# Altium PCB roach2.PcbDoc (part 35 of 39) (continued)
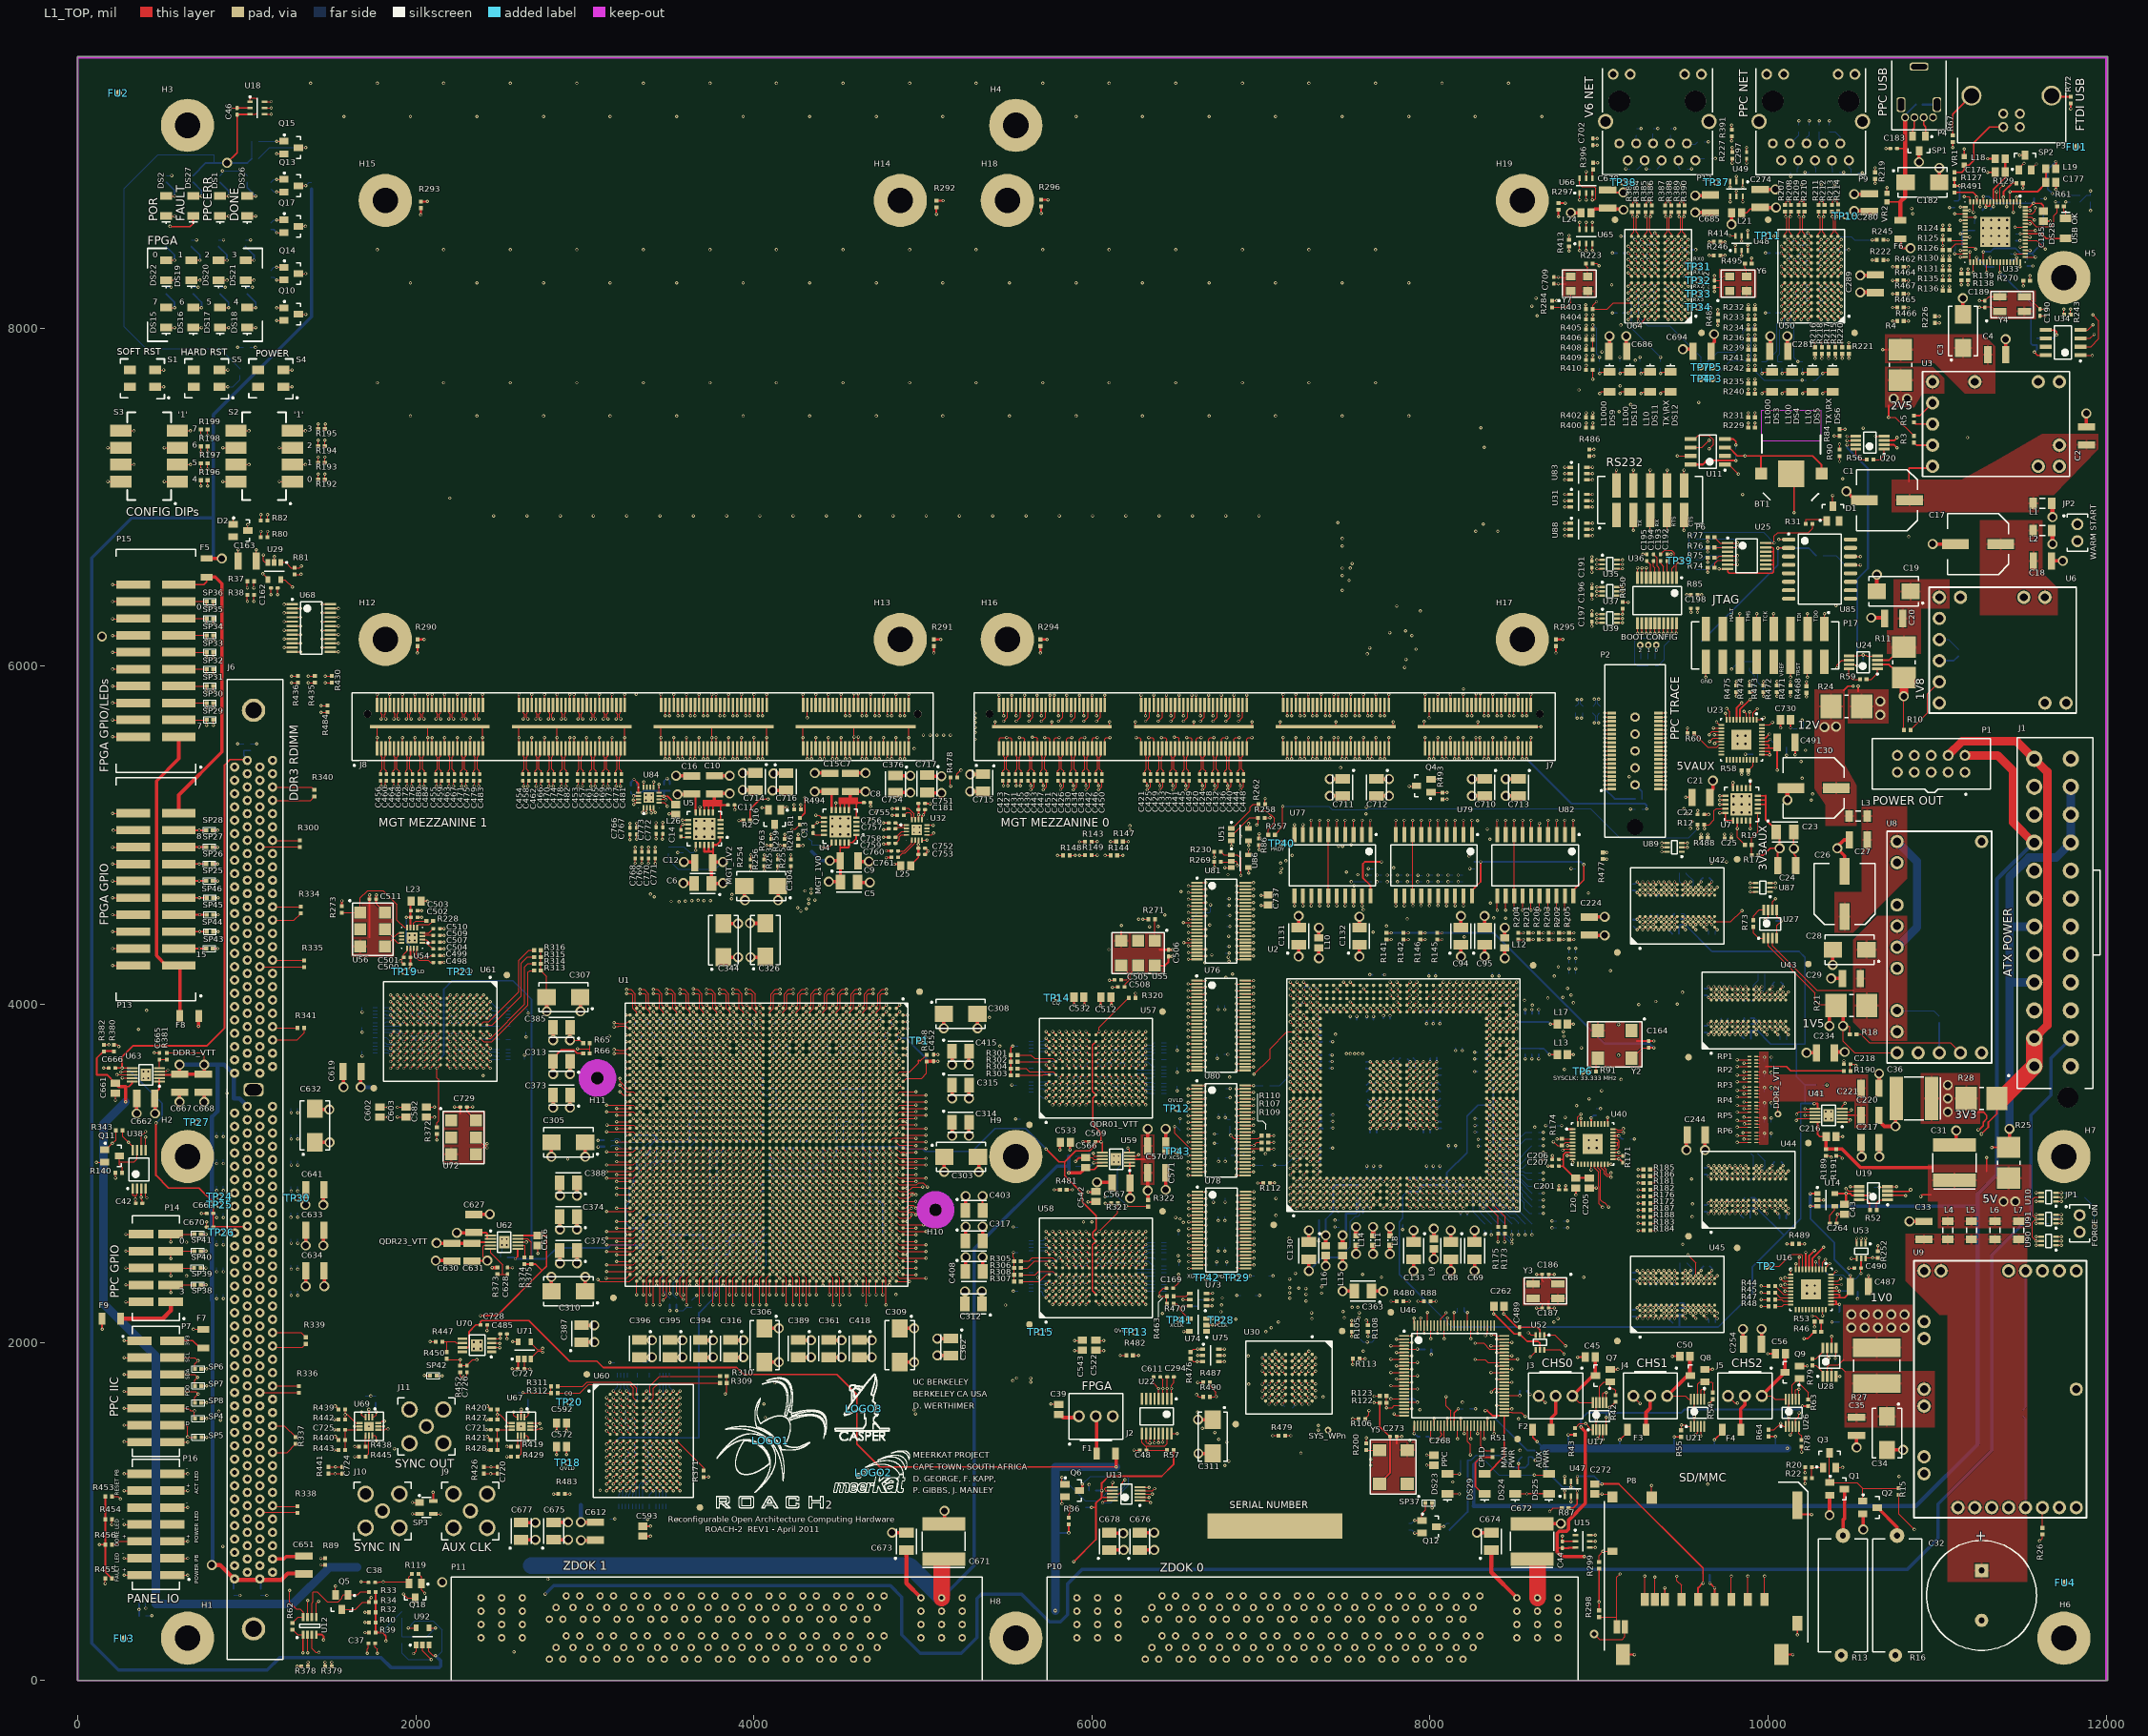
[diagram p0: L1_TOP view]
## Nets (pads, with @x,y where several pads share a name; then routed paths per layer and width w, separated by ;. In a path a pad name is that pad's centre, name@x,y a point inside that pad or via, vN(x,y) a via of type N, cw(c..) or ccw(c..) an arc to the next point about the centre after c; other vN are vias at no path point) (continued)
ZDOK0.DP_N16: P10.D14 U1.F42 | length 5257.7
  L1_TOP w5: v2(4684.14,2281.93) U1.F42@4684.14,2360.67
  L14_S w3.8: v2@4685.04,2283.46 4700.99,2267.51 4700.99,2252.96 4712.99,2240.96 4712.99,2157.96 4776.19,2094.76 4776.19,1703.76 5369.76,1110.19 5598.99,1110.19 ccw(c5598.99,1122.39) 5611.19,1122.39 5611.19,1180.7 cw(c5615.59,1180.7) 5619.99,1180.7 5619.99,1047.49 ccw(c5632.19,1047.49) 5644.39,1047.49 5644.39,1180.7 cw(c5648.79,1180.7) 5653.19,1180.7 5653.19,1047.49 ccw(c5665.39,1047.49) 5677.59,1047.49 5677.59,1180.7 cw(c5681.99,1180.7) 5686.39,1180.7 5686.39,1047.49 ccw(c5698.59,1047.49) 5710.79,1047.49 5710.79,1180.7 cw(c5715.19,1180.7) 5719.59,1180.7 5719.59,1122.39 ccw(c5731.79,1122.39) 5731.79,1110.19 5950.79,1110.19 6140.79,920.19 6425.79,920.19 6555.79,790.19 7280.79,790.19 7450.19,620.79 7450.19,476.33 7419.61,445.75 7419.61,400.35 7484.76,335.19 7503.24,335.19 7503.78,334.65 7526.61,334.65 7554.16,362.2 P10.D14@7595.12,362.2
ZDOK0.DP_N17: P10.D16 U1.C41 | length 5269.2
  L1_TOP w5: U1.C41@4802.25,2400.04 v1(4821.94,2380.35)
  L3_S w3.8: v1@4822.84,2381.89 4836.94,2395.99 4861.99,2395.99 4883.99,2373.99 4883.99,2275.99 4995.99,2163.99 4995.99,1851.96 5272.76,1575.19 5545.79,1575.19 5835.79,1285.19 5848.99,1285.19 ccw(c5848.99,1297.39) 5861.19,1297.39 5861.19,1303.99 cw(c5865.59,1303.99) 5869.99,1303.99 5869.99,1241.99 ccw(c5882.19,1241.99) 5894.39,1241.99 5894.39,1303.99 cw(c5898.79,1303.99) 5903.19,1303.99 5903.19,1241.99 ccw(c5915.39,1241.99) 5927.59,1241.99 5927.59,1303.99 cw(c5931.99,1303.99) 5936.39,1303.99 5936.39,1241.99 ccw(c5948.59,1241.99) 5960.79,1241.99 5960.79,1303.99 cw(c5965.19,1303.99) 5969.59,1303.99 5969.59,1241.99 ccw(c5981.79,1241.99) 5993.99,1241.99 5993.99,1303.99 cw(c5998.39,1303.99) 6002.79,1303.99 6002.79,1241.99 ccw(c6014.99,1241.99) 6027.19,1241.99 6027.19,1303.99 cw(c6031.59,1303.99) 6035.99,1303.99 6035.99,1241.99 ccw(c6048.19,1241.99) 6060.39,1241.99 6060.39,1303.99 cw(c6064.79,1303.99) 6069.19,1303.99 6069.19,1241.99 ccw(c6081.39,1241.99) 6093.59,1241.99 6093.59,1303.99 cw(c6097.99,1303.99) 6102.39,1303.99 6102.39,1241.99 ccw(c6114.59,1241.99) 6126.79,1241.99 6126.79,1280.79 cw(c6131.19,1280.79) 6131.19,1285.19 6450.79,1285.19 6670.79,1065.19 6942.99,1065.19 7167.56,840.62 7199.33,840.62 7522.48,517.48 7595.19,444.76 7595.19,414.76 7679.76,330.19 7722.15,330.19 7754.16,362.2 P10.D16@7795.12,362.2
ZDOK0.DP_N18: P10.D18 U1.E38 | length 5271.1
  L1_TOP w5: U1.E38@4723.51,2518.15 v1(4743.2,2498.46)
  L3_S w3.8: v1(4743.2,2498.46) 4758.8,2482.86 4839.12,2482.86 4845.49,2476.49 4845.49,2462.71 4845.71,2462.49 4845.71,2452.63 4854.85,2443.49 4924.45,2443.49 4944.13,2423.81 5028.18,2423.81 5055.22,2396.76 5055.22,2363.99 5143.79,2275.42 5143.79,1854.19 5374.99,1622.99 5589.02,1622.99 5879.02,1332.99 6524.02,1332.99 6708.51,1148.51 6714.99,1148.51 ccw(c6714.99,1152.91) 6719.39,1152.91 6719.39,1167.8 cw(c6731.59,1167.8) 6743.79,1167.8 6743.79,1095.38 ccw(c6748.19,1095.38) 6752.59,1095.38 6752.59,1167.8 cw(c6764.79,1167.8) 6776.99,1167.8 6776.99,1095.38 ccw(c6781.39,1095.38) 6785.79,1095.38 6785.79,1167.8 cw(c6797.99,1167.8) 6810.19,1167.8 6810.19,1095.38 ccw(c6814.59,1095.38) 6818.99,1095.38 6818.99,1167.8 cw(c6831.19,1167.8) 6843.39,1167.8 6843.39,1095.38 ccw(c6847.79,1095.38) 6852.19,1095.38 6852.19,1167.8 cw(c6864.39,1167.8) 6876.59,1167.8 6876.59,1095.38 ccw(c6880.99,1095.38) 6885.39,1095.38 6885.39,1136.31 cw(c6897.59,1136.31) 6897.59,1148.51 6967.48,1148.51 6972.71,1143.27 ; 6972.72,1143.26 7036.03,1079.96 7552.99,562.99 7706.22,562.99 7765.79,503.42 7765.79,477.99 7854.03,389.76 7926.61,389.76 7954.16,362.2 P10.D18@7995.12,362.2
ZDOK0.DP_N19: P10.D20 U1.A37 | length 5248.2
  L1_TOP w5: U1.A37@4880.99,2557.52 4881.89,2557.52 v2(4959.73,2557.52)
  L9_R w3.8: v2@4960.63,2559.06 4960.95,2558.74 5003.78,2515.91 5026.62,2515.91 5113.99,2428.53 5113.99,2147.76 5339.56,1922.19 5469.76,1922.19 5618.96,1772.99 5630.19,1772.99 v2(5637.99,1765.19)
  L12_S w3.8: v2(5637.99,1765.19) 5727.99,1675.19 5727.99,1486.96 6104.76,1110.19 6266.22,1110.19 6313.99,1157.96 6408.02,1157.96 6465.79,1100.19 6974.99,1100.19 ccw(c6974.99,1112.39) 6987.19,1112.39 6987.19,1149.29 cw(c6991.59,1149.29) 6995.99,1149.29 6995.99,1051.18 ccw(c7008.19,1051.18) 7020.39,1051.18 7020.39,1149.29 cw(c7024.79,1149.29) 7029.19,1149.29 7029.19,1051.18 ccw(c7041.39,1051.18) 7053.59,1051.18 7053.59,1149.29 cw(c7057.99,1149.29) 7062.39,1149.29 7062.39,1051.18 ccw(c7074.59,1051.18) 7086.79,1051.18 7086.79,1095.79 cw(c7091.19,1095.79) 7091.19,1100.19 7255.79,1100.19 7760.79,595.19 7892.99,595.19 7957.99,530.19 7957.99,475.19 7990.19,442.99 7990.19,419.76 8079.76,330.19 8122.15,330.19 8154.16,362.2 P10.D20@8195.12,362.2
ZDOK0.DP_N20: P10.C2 U1.R29 | length 5265.7
  L1_TOP w5: U1.R29@4329.81,2872.48 v1(4349.5,2852.79)
  L3_S w3.8: v1(4349.5,2852.79) 4365.47,2836.82 4365.47,2338.49 4397.19,2306.76 4397.19,1736.76 4555.76,1578.19 4571.76,1578.19 5069.76,1080.19 5129.76,1080.19 5376.97,832.98 5464.64,745.31 cw(c5461.53,742.2) 5465.93,742.2 cw(c5461.53,742.2) 5464.64,739.09 5422.27,696.72 ccw(c5430.9,688.09) 5422.27,679.47 ccw(c5430.9,688.09) 5439.53,679.47 5512.51,752.46 ; 5512.52,752.46 cw(c5515.63,749.35) 5518.74,752.46 cw(c5515.63,749.35) 5520.03,749.35 cw(c5515.63,749.35) 5518.74,746.24 5493.99,721.49 5445.75,673.24 ccw(c5454.37,664.62) 5445.75,655.99 ccw(c5454.37,664.62) 5463,655.99 5535.99,728.98 cw(c5539.11,725.87) 5542.22,728.99 cw(c5539.11,725.87) 5543.51,725.87 cw(c5539.11,725.87) 5542.22,722.76 5517.47,698.01 5469.22,649.77 ccw(c5477.85,641.14) 5469.22,632.52 ccw(c5477.85,641.14) 5486.48,632.52 5559.46,705.51 ; 5533.43,585.57 cw(c5524.8,594.19) 5516.17,585.57 cw(c5524.8,594.19) 5516.17,602.82 5589.16,675.81 ccw(c5586.06,678.92) 5590.46,678.92 ccw(c5586.06,678.92) 5589.17,682.04 ccw(c5586.06,678.92) 5582.94,682.04 5509.96,609.05 cw(c5501.32,617.67) 5492.7,609.04 cw(c5501.32,617.67) 5492.7,626.29 5540.93,674.53 5565.69,699.28 ccw(c5562.58,702.4) 5566.98,702.4 ccw(c5562.58,702.4) 5565.69,705.51 ccw(c5562.58,702.4) 5559.47,705.51 ; 5533.43,585.57 5606.41,658.56 ; 5599.27,604.46 5556.91,562.1 cw(c5548.27,570.72) 5539.65,562.09 cw(c5548.27,570.72) 5539.65,579.34 5612.64,652.33 ccw(c5609.53,655.45) 5613.93,655.45 ccw(c5609.53,655.45) 5612.64,658.56 ccw(c5609.53,655.45) 5606.42,658.56 ; 5599.27,604.46 cw(c5602.38,601.35) 5605.49,604.46 5654.76,555.19 6150.79,555.19 6222.99,482.99 6222.99,306.96 6274.98,254.98 6356.01,254.98 6377.99,232.99 6464.13,232.99 P10.C2@6494.92,263.78
ZDOK0.DP_N21: P10.C4 U1.M37 | length 5256.7
  L1_TOP w5: U1.M37@4447.92,2557.52 v1(4467.61,2537.83)
  L5_S w3.8: v1(4467.61,2537.83) 4483.21,2522.23 4483.21,2308.07 4502.89,2288.39 4502.89,2251.46 4523.47,2230.87 4523.47,2057.61 4553.42,2027.67 4553.42,1836.53 4837.99,1551.96 4837.99,1441.96 5204.76,1075.19 5438.99,1075.19 ccw(c5438.99,1087.39) 5451.19,1087.39 5451.19,1147.72 cw(c5455.59,1147.72) 5459.99,1147.72 5459.99,1010.46 ccw(c5472.19,1010.46) 5484.39,1010.46 5484.39,1147.72 cw(c5488.79,1147.72) 5493.19,1147.72 5493.19,1010.46 ccw(c5505.39,1010.46) 5517.59,1010.46 5517.59,1147.72 cw(c5521.99,1147.72) 5526.39,1147.72 5526.39,1010.46 ccw(c5538.59,1010.46) 5550.79,1010.46 5550.79,1147.72 cw(c5555.19,1147.72) 5559.59,1147.72 5559.59,1010.46 ccw(c5571.79,1010.46) 5583.99,1010.46 5583.99,1147.72 cw(c5588.39,1147.72) 5592.79,1147.72 5592.79,1087.39 ccw(c5604.99,1087.39) 5604.99,1075.19 5727.99,1075.19 5730.95,1072.24 5753.59,1049.59 6105.19,697.99 6372.99,697.99 6452.99,617.99 6452.99,484.02 6412.99,444.02 6412.99,434.02 6359.76,380.8 6359.76,335.19 6391.96,302.99 6501.96,302.99 6569.76,235.19 6625.38,235.19 6653.97,263.78 P10.C4@6694.92,263.78
ZDOK0.DP_N22: P10.C6 U1.N30 | length 5259.2
  L1_TOP w5: U1.N30@4408.55,2833.11 v1(4428.24,2813.42)
  L3_S w3.8: v1(4428.24,2813.42) 4444.06,2813.42 4461.99,2795.49 4472.99,2795.49 4483.21,2785.28 4483.21,2410.4 4503.26,2390.35 4503.26,2272.24 4527.03,2248.46 4527.03,2191.06 4516.19,2180.22 4516.19,2164.99 ; 4516.19,2165.56 4516.19,2164.99 ; 5312.62,1162.27 5284.53,1134.18 5243.93,1093.58 ccw(c5252.55,1084.95) 5243.92,1076.32 ccw(c5252.55,1084.95) 5261.18,1076.32 5329.87,1145.02 cw(c5332.99,1141.91) 5336.1,1145.02 cw(c5332.99,1141.91) 5337.39,1141.91 cw(c5332.99,1141.91) 5336.1,1138.8 5308,1110.71 5267.4,1070.11 ccw(c5276.02,1061.48) 5267.4,1052.85 ccw(c5276.02,1061.48) 5284.65,1052.85 5353.35,1121.55 cw(c5356.46,1118.44) 5359.57,1121.55 cw(c5356.46,1118.44) 5360.86,1118.44 cw(c5356.46,1118.44) 5359.57,1115.33 5331.48,1087.23 5290.87,1046.63 ccw(c5299.5,1038) 5290.87,1029.37 ccw(c5299.5,1038) 5308.13,1029.37 5376.82,1098.07 cw(c5379.94,1094.96) 5383.05,1098.07 cw(c5379.94,1094.96) 5384.34,1094.96 cw(c5379.94,1094.96) 5383.05,1091.85 5354.95,1063.76 5314.35,1023.15 ccw(c5322.97,1014.53) 5314.35,1005.9 ccw(c5322.97,1014.53) 5331.6,1005.9 5366.33,1040.63 cw(c5369.44,1037.52) 5372.55,1040.63 5750.19,662.99 6212.99,662.99 6332.99,542.99 6332.99,491.96 6366.3,458.66 6366.37,458.66 6400.19,424.84 6400.19,414.76 6442.48,372.48 6442.48,333.51 6470.28,305.71 6714.25,305.71 6727.48,292.48 ; 5312.62,1162.28 ccw(c5309.51,1165.39) 5313.91,1165.39 ccw(c5309.51,1165.39) 5312.62,1168.5 ccw(c5309.51,1165.39) 5306.4,1168.5 5237.7,1099.8 cw(c5229.07,1108.43) 5220.45,1099.8 cw(c5229.07,1108.43) 5220.45,1117.05 5261.04,1157.65 5289.14,1185.75 ccw(c5286.04,1188.86) 5290.44,1188.86 ccw(c5286.04,1188.86) 5289.15,1191.97 ccw(c5286.04,1188.86) 5282.92,1191.97 5260.69,1169.74 cw(c5252.07,1178.37) 5243.44,1169.74 5224.59,1188.59 5202.99,1210.19 5137.76,1210.19 4554.19,1793.76 4554.19,2050.76 4516.19,2088.76 4516.19,2164.99 ; 6723.58,296.38 6727.48,292.48 ; P10.C6@6894.92,263.78 6853.97,263.78 6820.38,230.19 6774.76,230.19 6727.48,277.48 6727.48,292.48
ZDOK0.DP_N23: P10.C8 U1.L37 | length 5265.7
  L1_TOP w5: U1.L37@4487.29,2557.52 v1(4506.98,2537.83)
  L12_S w3.8: v1(4506.98,2537.83) 4483.58,2514.43 4483.58,2410.03 4503.26,2390.35 4503.26,2272.24 4529.49,2246 4529.49,2085.62 4484.47,2040.61 4474.76,2030.9 4474.76,1888.19 4622.99,1739.96 4622.99,1572.99 5363.23,832.75 cw(c5360.12,829.64) 5364.52,829.64 cw(c5360.12,829.64) 5363.23,826.53 5320.38,783.69 ccw(c5331,773.07) 5341.61,762.46 5384.45,805.31 cw(c5387.56,802.2) 5390.67,805.31 cw(c5387.56,802.2) 5391.96,802.2 cw(c5387.56,802.2) 5390.68,799.09 5347.83,756.24 ccw(c5358.44,745.63) 5369.05,735.02 5411.9,777.86 cw(c5415.01,774.75) 5418.12,777.86 cw(c5415.01,774.75) 5419.41,774.75 cw(c5415.01,774.75) 5418.12,771.64 5375.27,728.8 ccw(c5385.89,718.18) 5396.5,707.57 5439.34,750.42 cw(c5442.45,747.31) 5445.57,750.42 5477.09,718.89 5654.89,718.89 cw(c5654.89,714.49) 5659.29,714.49 5659.29,658.95 ccw(c5672.79,658.95) 5686.29,658.95 5686.29,714.49 cw(c5690.69,714.49) 5695.09,714.49 5695.09,658.95 ccw(c5708.59,658.95) 5722.09,658.95 5722.09,714.49 cw(c5726.49,714.49) 5730.89,714.49 5730.89,658.95 ccw(c5744.39,658.95) 5757.89,658.95 5757.89,714.49 cw(c5762.29,714.49) 5766.69,714.49 5766.69,658.95 ccw(c5780.19,658.95) 5793.69,658.95 5793.69,714.49 cw(c5798.09,714.49) 5798.09,718.89 5937.09,718.89 6010.79,645.19 6595.79,645.19 6642.55,598.43 6642.55,468.69 6619.61,445.75 6619.61,395.35 6701.96,312.99 6910.19,312.99 6930.19,292.99 6930.19,274.76 6974.76,230.19 7020.38,230.19 7053.97,263.78 P10.C8@7094.92,263.78
ZDOK0.DP_N24: P10.C10 U1.H34 | length 5291.4
  L1_TOP w5: U1.H34@4605.4,2675.63 v1(4625.09,2655.94)
  L5_S w3.8: v1(4625.09,2655.94) 4648.49,2632.54 4695.99,2632.54 4696.86,2631.67 4697.37,2632.17 4710.29,2632.17 4719.8,2622.67 4719.8,2370.66 4733.51,2356.95 4874,2356.95 4907.76,2323.19 4977.76,2323.19 5010.48,2290.48 5010.48,1879.05 5017.76,1871.76 5414.33,1475.19 5658.99,1475.19 ccw(c5658.99,1487.39) 5671.19,1487.39 5671.19,1548.14 cw(c5675.59,1548.14) 5679.99,1548.14 5679.99,1458.44 ccw(c5692.19,1458.44) 5704.39,1458.44 5704.39,1548.14 cw(c5708.79,1548.14) 5713.19,1548.14 5713.19,1458.44 ccw(c5725.39,1458.44) 5737.59,1458.44 5737.59,1548.14 cw(c5741.99,1548.14) 5746.39,1548.14 5746.39,1458.44 ccw(c5758.59,1458.44) 5770.79,1458.44 5770.79,1548.14 cw(c5775.19,1548.14) 5779.59,1548.14 5779.59,1458.44 ccw(c5791.79,1458.44) 5803.99,1458.44 5803.99,1548.14 cw(c5808.39,1548.14) 5812.79,1548.14 5812.79,1487.39 ccw(c5824.99,1487.39) 5824.99,1475.19 5887.99,1475.19 5890.95,1472.24 5893.59,1469.59 6055.19,1307.99 6377.99,1307.99 6957.99,727.99 7072.99,727.99 7137.99,662.99 7137.99,489.02 7110.19,461.22 7110.19,415.79 7150.19,375.79 7150.19,259.76 7179.76,230.19 7220.38,230.19 7253.97,263.78 P10.C10@7294.92,263.78
ZDOK0.DP_N25: P10.C12 U1.G39 | length 5275.9
  L1_TOP w5: U1.G39@4644.77,2478.78 v1(4664.46,2459.09)
  L12_S w3.8: v1(4664.46,2459.09) 4680.43,2443.12 4680.43,2327.03 4700.11,2307.34 4700.11,2238.64 4681.14,2219.67 4681.14,2159.76 4786.19,2054.71 4786.19,1936.76 5092.99,1629.96 5092.99,1619.76 5113.37,1599.38 5229.31,1483.44 cw(c5226.2,1480.33) 5230.6,1480.33 cw(c5226.2,1480.33) 5229.31,1477.22 5195.68,1443.58 ccw(c5204.31,1434.96) 5195.68,1426.33 ccw(c5204.31,1434.96) 5212.93,1426.33 5302.15,1515.54 cw(c5305.26,1512.44) 5308.38,1515.55 cw(c5305.26,1512.44) 5309.66,1512.44 cw(c5305.26,1512.44) 5308.38,1509.33 5258.66,1459.62 5219.16,1420.11 ccw(c5227.78,1411.48) 5219.16,1402.86 ccw(c5227.78,1411.48) 5236.41,1402.86 5325.62,1492.07 cw(c5328.74,1488.96) 5331.85,1492.07 cw(c5328.74,1488.96) 5333.14,1488.96 cw(c5328.74,1488.96) 5331.85,1485.85 5282.14,1436.14 5242.63,1396.63 ccw(c5251.26,1388.01) 5242.63,1379.38 ccw(c5251.26,1388.01) 5259.88,1379.38 5349.1,1468.59 cw(c5352.21,1465.49) 5355.33,1468.6 cw(c5352.21,1465.49) 5356.61,1465.49 cw(c5352.21,1465.49) 5355.33,1462.38 5305.61,1412.67 5266.11,1373.16 ccw(c5274.73,1364.53) 5266.11,1355.91 ccw(c5274.73,1364.53) 5283.36,1355.91 5316.99,1389.53 cw(c5320.1,1386.43) 5323.22,1389.54 ; 5323.22,1389.53 5792.56,920.19 7155.79,920.19 7342.48,733.51 7342.48,508.51 7317.99,484.02 7317.99,410.19 7350.19,377.99 7350.19,254.76 7374.76,230.19 7420.38,230.19 7453.97,263.78 P10.C12@7494.92,263.78
ZDOK0.DP_N26: P10.C14 U1.E37 | length 5265
  L1_TOP w5: U1.E37@4723.51,2557.52 v1(4743.2,2537.83)
  L3_S w3.8: v1(4743.2,2537.83) 4727.6,2522.23 4727.6,2349.39 4747.28,2329.7 4747.28,2192.2 4831.79,2107.69 4831.79,1905.99 5229.79,1507.99 5439.02,1507.99 5854.02,1092.99 6254.02,1092.99 6311.62,1035.39 6353.45,1035.39 6366.57,1048.51 6492.48,1048.51 6570.49,970.5 6605.03,935.95 6607.99,932.99 6694.39,932.99 ccw(c6694.39,937.39) 6698.79,937.39 6698.79,988.71 cw(c6710.99,988.71) 6723.19,988.71 6723.19,902.28 ccw(c6727.59,902.28) 6731.99,902.28 6731.99,988.71 cw(c6744.19,988.71) 6756.39,988.71 6756.39,902.28 ccw(c6760.79,902.28) 6765.19,902.28 6765.19,988.71 cw(c6777.39,988.71) 6789.59,988.71 6789.59,902.28 ccw(c6793.99,902.28) 6798.39,902.28 6798.39,988.71 cw(c6810.59,988.71) 6822.79,988.71 6822.79,902.28 ccw(c6827.19,902.28) 6831.59,902.28 6831.59,988.71 cw(c6843.79,988.71) 6855.99,988.71 6855.99,886.39 ccw(c6860.39,886.39) 6864.79,886.39 6864.79,920.79 cw(c6876.99,920.79) 6876.99,932.99 6901.22,932.99 7291.22,542.99 7311.22,542.99 7415.79,438.42 7415.79,407.99 7532.45,291.33 7626.41,291.33 7653.97,263.78 P10.C14@7694.92,263.78
ZDOK0.DP_N27: P10.C16 U1.D41 | length 5288.3
  L1_TOP w5: U1.D41@4762.57,2399.57 4782.26,2379.88 v2(4782.26,2222.4)
  L14_S w3.8: v2@4783.16,2223.94 4804.21,2244.99 4817.99,2244.99 4827.99,2234.99 4827.99,2175.76 4875.19,2128.56 4875.19,1844.76 4954.76,1765.19 5092.99,1765.19 5224.09,1634.1 5370.07,1488.11 cw(c5366.96,1485) 5371.36,1485 cw(c5366.96,1485) 5370.07,1481.89 5353.87,1465.69 ; 5353.87,1465.68 ccw(c5362.49,1457.06) 5353.87,1448.43 ccw(c5362.49,1457.06) 5371.12,1448.43 5440.37,1517.68 cw(c5443.48,1514.57) 5446.59,1517.68 cw(c5443.48,1514.57) 5447.88,1514.57 cw(c5443.48,1514.57) 5446.59,1511.46 5399.42,1464.29 ; 5399.41,1464.28 5377.34,1442.21 ccw(c5385.97,1433.58) 5377.34,1424.96 ccw(c5385.97,1433.58) 5394.59,1424.96 5463.84,1494.2 cw(c5466.95,1491.09) 5470.06,1494.2 cw(c5466.95,1491.09) 5471.35,1491.09 cw(c5466.95,1491.09) 5470.06,1487.98 5400.82,1418.73 ccw(c5409.44,1410.11) 5400.82,1401.48 ccw(c5409.44,1410.11) 5418.07,1401.48 5487.32,1470.73 cw(c5490.43,1467.62) 5493.54,1470.73 cw(c5490.43,1467.62) 5494.83,1467.62 cw(c5490.43,1467.62) 5493.54,1464.51 5424.29,1395.26 ccw(c5432.92,1386.63) 5424.29,1378.01 ccw(c5432.92,1386.63) 5441.54,1378.01 5457.75,1394.21 cw(c5460.86,1391.1) 5463.97,1394.21 5530.19,1327.99 6002.99,1327.99 6185.28,1145.71 6296.74,1145.71 6318.51,1167.48 6433.51,1167.48 6580.79,1020.19 7322.99,1020.19 7732.48,610.71 7732.48,473.51 7719.61,460.64 7719.61,411.38 7745.19,385.79 7745.19,264.76 7779.76,230.19 7820.38,230.19 7853.97,263.78 P10.C16@7894.92,263.78
ZDOK0.DP_N28: P10.C18 U1.A41 | length 5181.4
  L1_TOP w5: U1.A41@4880.99,2400.04 4881.89,2400.04 v2(4959.73,2400.04)
  L14_S w3.8: v2@4960.63,2401.57 4975.42,2416.36 5079.7,2416.36 5187.99,2308.07 5187.99,2123.76 5416.56,1895.19 5517.99,1895.19 5577.99,1835.19 5577.99,1666.96 5784.76,1460.19 5912.99,1460.19 ccw(c5912.99,1472.39) 5925.19,1472.39 5925.19,1507.17 cw(c5929.59,1507.17) 5933.99,1507.17 5933.99,1435.69 ccw(c5946.19,1435.69) 5958.39,1435.69 5958.39,1524.5 cw(c5962.79,1524.5) 5967.19,1524.5 5967.19,1435.69 ccw(c5979.39,1435.69) 5991.59,1435.69 5991.59,1514.07 cw(c5995.99,1514.07) 6000.39,1514.07 6000.39,1435.69 ccw(c6012.59,1435.69) 6024.79,1435.69 6024.79,1507.12 cw(c6029.19,1507.12) 6033.59,1507.12 6033.59,1472.39 ccw(c6045.79,1472.39) 6045.79,1460.19 6085.79,1460.19 6088.75,1457.24 6149.99,1395.99 6280.79,1265.19 6507.99,1265.19 6640.19,1132.99 7407.99,1132.99 7952.99,587.99 7952.99,482.99 7982.51,453.47 7982.51,408.54 7950.19,376.22 7950.19,264.76 7979.76,235.19 8025.38,235.19 8053.97,263.78 P10.C18@8094.92,263.78
ZDOK0.DP_N29: P10.F2 U1.L32 | length 5252.3
  L1_TOP w5: U1.L32@4487.29,2754.37 v1(4506.98,2734.68)
  L3_S w3.8: v1(4506.98,2734.68) 4522.95,2718.71 4522.95,2359.51 4542.63,2339.82 4542.63,2109.32 4594.99,2056.96 4594.99,1844.76 5189.56,1250.19 5252.99,1250.19 5775.19,727.99 5798.99,727.99 ccw(c5798.99,740.19) 5811.19,740.19 5811.19,801.43 cw(c5815.59,801.43) 5819.99,801.43 5819.99,692.36 ccw(c5832.19,692.36) 5844.39,692.36 5844.39,801.43 cw(c5848.79,801.43) 5853.19,801.43 5853.19,709.83 ccw(c5865.39,709.83) 5877.59,709.83 5877.59,801.43 cw(c5881.99,801.43) 5886.39,801.43 5886.39,740.19 ccw(c5898.59,740.19) 5910.79,740.19 5910.79,801.43 cw(c5915.19,801.43) 5919.59,801.43 5919.59,692.36 ccw(c5931.79,692.36) 5943.99,692.36 5943.99,801.43 cw(c5948.39,801.43) 5952.79,801.43 5952.79,692.36 ccw(c5964.99,692.36) 5977.19,692.36 5977.19,801.43 cw(c5981.59,801.43) 5985.99,801.43 5985.99,692.36 ccw(c5998.19,692.36) 6010.39,692.36 6010.39,801.43 cw(c6014.79,801.43) 6019.19,801.43 6019.19,692.36 ccw(c6031.39,692.36) 6043.59,692.36 6043.59,801.43 cw(c6047.99,801.43) 6052.39,801.43 6052.39,692.36 ccw(c6064.59,692.36) 6076.79,692.36 6076.79,723.59 cw(c6081.19,723.59) 6081.19,727.99 6222.99,727.99 6362.62,588.36 6362.62,497.19 6394.62,465.19 6406.22,465.19 6413.48,472.45 6426.41,472.45 6453.97,500 P10.F2@6494.92,500
ZDOK0.DP_N30: P10.F4 U1.J36 | length 5251.3
  L1_TOP w5: U1.J36@4566.03,2596.89 v1(4585.72,2577.2)
  L5_S w3.8: v1(4585.72,2577.2) 4609.12,2553.8 4609.12,2368.36 4628.8,2348.68 4628.8,2294.23 4626.79,2292.22 4626.79,2164.99 4660.99,2130.79 4660.99,1886.99 4794.99,1752.99 4861.22,1752.99 5268.42,1345.79 5652.39,1345.79 ccw(c5652.39,1350.19) 5656.79,1350.19 5656.79,1402.06 cw(c5668.99,1402.06) 5681.19,1402.06 5681.19,1298.92 ccw(c5685.59,1298.92) 5689.99,1298.92 5689.99,1402.06 cw(c5702.19,1402.06) 5714.39,1402.06 5714.39,1298.92 ccw(c5718.79,1298.92) 5723.19,1298.92 5723.19,1402.06 cw(c5735.39,1402.06) 5747.59,1402.06 5747.59,1298.92 ccw(c5751.99,1298.92) 5756.39,1298.92 5756.39,1402.06 cw(c5768.59,1402.06) 5780.79,1402.06 5780.79,1298.92 ccw(c5785.19,1298.92) 5789.59,1298.92 5789.59,1402.06 cw(c5801.79,1402.06) 5813.99,1402.06 5813.99,1298.92 ccw(c5818.39,1298.92) 5822.79,1298.92 5822.79,1333.59 cw(c5834.99,1333.59) 5834.99,1345.79 5861.22,1345.79 6015.79,1191.22 6015.79,1056.22 6069.02,1002.99 6170.99,1002.99 ccw(c6170.99,1007.39) 6175.39,1007.39 6175.39,1070.79 cw(c6187.59,1070.79) 6199.79,1070.79 6199.79,1007.39 ccw(c6204.19,1007.39) 6208.59,1007.39 6208.59,1070.79 cw(c6220.79,1070.79) 6232.99,1070.79 6232.99,1007.39 ccw(c6237.39,1007.39) 6241.79,1007.39 6241.79,1070.79 cw(c6253.99,1070.79) 6266.19,1070.79 6266.19,1007.39 ccw(c6270.59,1007.39) 6274.99,1007.39 6274.99,1070.79 cw(c6287.19,1070.79) 6299.39,1070.79 6299.39,1007.39 ccw(c6303.79,1007.39) 6303.79,1002.99 6381.22,1002.99 6615.79,768.42 6615.79,737.99 6658.86,694.92 6658.86,536.06 P10.F4@6694.92,500
ZDOK0.DP_N31: P10.F6 U1.J41 | length 5211.2
  L1_TOP w5: U1.J41@4566.03,2400.04 v1(4585.72,2380.35)
  L12_S w3.8: v1@4586.62,2381.89 v1@4586.94,2381.57 ; v1@4590.33,2378.17 v1@4586.94,2381.57 ; P10.F6@6894.92,500 6855.79,539.13 6855.79,671.22 6829.02,697.99 6024.02,697.99 5944.02,777.99 5597.99,777.99 5056.39,1319.6 ccw(c5045.77,1308.99) 5035.16,1319.6 5009.4,1293.84 cw(c5006.29,1296.95) 5003.18,1300.06 5060.93,1357.81 ccw(c5050.31,1368.42) 5065.32,1368.42 ccw(c5050.31,1368.42) 5039.7,1379.03 4981.95,1321.28 cw(c4978.84,1324.39) 4975.73,1327.5 5033.48,1385.25 ccw(c5022.87,1395.86) 5037.88,1395.86 ccw(c5022.87,1395.86) 5012.26,1406.47 4954.51,1348.73 cw(c4951.4,1351.84) 4948.29,1354.95 5006.04,1412.7 ccw(c4995.42,1423.31) 5010.43,1423.31 ccw(c4995.42,1423.31) 4984.81,1433.92 4927.06,1376.17 cw(c4923.95,1379.28) 4920.84,1382.39 4978.59,1440.14 ccw(c4967.98,1450.75) 4982.99,1450.75 ccw(c4967.98,1450.75) 4957.37,1461.37 4899.62,1403.62 cw(c4896.51,1406.73) 4893.4,1409.84 4951.15,1467.59 ccw(c4940.53,1478.2) 4955.54,1478.2 ccw(c4940.53,1478.2) 4929.92,1488.81 4872.17,1431.06 cw(c4869.06,1434.17) 4865.95,1437.28 4923.7,1495.03 ccw(c4913.09,1505.64) 4928.1,1505.64 ccw(c4913.09,1505.64) 4902.48,1516.26 4884.21,1497.99 cw(c4881.1,1501.1) 4877.99,1497.99 4825.28,1550.71 4825.28,1577.99 ccw(c4813.08,1577.99) 4813.08,1590.19 4756.72,1590.19 cw(c4756.72,1594.59) 4756.72,1598.99 4888.13,1598.99 ccw(c4888.13,1611.19) 4900.33,1611.19 ccw(c4888.13,1611.19) 4888.13,1623.39 4756.72,1623.39 cw(c4756.72,1627.79) 4756.72,1632.19 4888.13,1632.19 ccw(c4888.13,1644.39) 4900.33,1644.39 ccw(c4888.13,1644.39) 4888.13,1656.59 4829.68,1656.59 cw(c4829.68,1660.99) 4825.28,1660.99 4825.28,1684.71 4596.99,1912.99 4596.99,2315.99 4586.94,2326.05 4586.94,2380.35 v1@4586.94,2381.57
  L14_S w3.8: v1@4586.62,2381.89 4586.94,2381.57 v1@4590.33,2378.17
ZDOK0.DP_N32: P10.F8 U1.J38 | length 5232.9
  L1_TOP w5: U1.J38@4566.03,2518.15 v1(4585.72,2498.46)
  L9_R w3.8: v1(4585.72,2498.46) 4570.12,2482.86 4570.12,2352.21 4602.28,2320.05 4602.28,1852.99 4862.28,1592.99 4940.19,1592.99 v3(4947.99,1600.79)
  L12_S w3.8: v3(4947.99,1600.79) 4955.79,1592.99 4961.25,1592.99 4969.05,1600.79 4986.22,1600.79 5000.79,1586.22 5000.79,1530.19 5468.49,1062.49 ccw(c5471.6,1065.6) 5474.71,1062.49 5491.95,1079.73 cw(c5500.57,1071.1) 5509.2,1079.73 cw(c5500.57,1071.1) 5512.77,1071.1 cw(c5500.57,1071.1) 5509.2,1062.47 5486.1,1039.38 ; 5486.09,1039.37 5470.5,1023.77 ccw(c5473.61,1020.66) 5470.5,1017.55 ccw(c5473.61,1020.66) 5476.72,1017.55 5492.32,1033.14 ; 5492.33,1033.15 5515.42,1056.25 cw(c5524.05,1047.62) 5532.68,1056.25 cw(c5524.05,1047.62) 5536.25,1047.62 cw(c5524.05,1047.62) 5532.68,1039 5509.58,1015.9 5493.98,1000.3 ccw(c5497.08,997.18) 5493.97,994.07 ccw(c5497.08,997.18) 5500.19,994.07 5515.79,1009.67 5538.9,1032.77 cw(c5547.52,1024.15) 5556.15,1032.77 cw(c5547.52,1024.15) 5559.72,1024.15 cw(c5547.52,1024.15) 5556.15,1015.52 5533.05,992.43 ; 5533.04,992.42 5517.45,976.82 ccw(c5520.56,973.71) 5517.45,970.6 ccw(c5520.56,973.71) 5523.67,970.6 5562.37,1009.29 cw(c5571,1000.67) 5579.63,1009.3 cw(c5571,1000.67) 5583.2,1000.67 cw(c5571,1000.67) 5579.63,992.05 5556.53,968.95 5540.93,953.35 ccw(c5544.03,950.23) 5540.92,947.12 ccw(c5544.03,950.23) 5547.14,947.12 5585.85,985.82 cw(c5594.47,977.2) 5603.1,985.82 cw(c5594.47,977.2) 5606.67,977.2 cw(c5594.47,977.2) 5603.1,968.57 5580,945.48 ; 5579.99,945.47 5564.4,929.87 ccw(c5567.51,926.76) 5564.4,923.65 ccw(c5567.51,926.76) 5570.62,923.65 5609.32,962.35 cw(c5617.95,953.72) 5626.58,962.35 cw(c5617.95,953.72) 5630.15,953.72 cw(c5617.95,953.72) 5626.58,945.1 5603.48,922 5587.88,906.4 ccw(c5590.98,903.28) 5587.87,900.17 ccw(c5590.98,903.28) 5594.09,900.17 5632.8,938.87 cw(c5641.42,930.25) 5650.05,938.87 cw(c5641.42,930.25) 5653.62,930.25 cw(c5641.42,930.25) 5650.05,921.62 ; 5626.94,898.52 5611.35,882.92 ccw(c5614.46,879.81) 5611.35,876.7 ccw(c5614.46,879.81) 5617.57,876.7 5656.27,915.4 cw(c5664.9,906.77) 5673.53,915.4 cw(c5664.9,906.77) 5677.1,906.77 cw(c5664.9,906.77) 5673.53,898.15 5653.5,878.12 ; 5626.95,898.53 5650.05,921.62 ; 5653.5,877.49 5697.99,832.99 5706.99,832.99 ccw(c5706.99,837.39) 5711.39,837.39 5711.39,864.64 cw(c5723.59,864.64) 5735.79,864.64 5735.79,837.39 ccw(c5740.19,837.39) 5744.59,837.39 5744.59,864.64 cw(c5756.79,864.64) 5768.99,864.64 5768.99,837.39 ccw(c5773.39,837.39) 5777.79,837.39 5777.79,864.64 cw(c5789.99,864.64) 5802.19,864.64 5802.19,837.39 ccw(c5806.59,837.39) 5810.99,837.39 5810.99,864.64 cw(c5823.19,864.64) 5835.39,864.64 5835.39,837.39 ccw(c5839.79,837.39) 5844.19,837.39 5844.19,843.99 cw(c5856.39,843.99) 5868.59,843.99 5868.59,837.39 ccw(c5872.99,837.39) 5877.39,837.39 5877.39,858.38 cw(c5889.59,858.38) 5901.79,858.38 5901.79,837.39 ccw(c5906.19,837.39) 5906.19,832.99 6089.02,832.99 6114.78,807.24 6162.88,807.24 6170.68,815.04 6386.49,815.04 6418.53,782.99 6949.02,782.99 7050.79,681.22 7050.79,544.13 P10.F8@7094.92,500
ZDOK0.DP_N33: P10.F10 U1.H38 | length 5258.6
  L1_TOP w5: U1.H38@4605.4,2518.15 v1(4625.09,2498.46)
  L12_S w3.8: v1(4625.09,2498.46) 4648.86,2474.69 4648.86,2341.13 4668.54,2321.44 4668.54,2249.02 4633.79,2214.26 4633.79,2184.23 4741.22,2076.8 4741.22,1908.99 4835.22,1814.99 4859.22,1814.99 5030.79,1643.42 5030.79,1580.19 5149.49,1461.5 5294.79,1316.19 ccw(c5297.9,1319.3) 5301.01,1316.19 5332.09,1347.27 cw(c5340.72,1338.64) 5349.34,1347.27 cw(c5340.72,1338.64) 5352.92,1338.64 cw(c5340.72,1338.64) 5349.34,1330.02 5312.4,1293.08 ; 5312.39,1293.07 5291.86,1272.53 ccw(c5294.96,1269.42) 5291.85,1266.3 ccw(c5294.96,1269.42) 5298.08,1266.3 5355.57,1323.79 cw(c5364.19,1315.17) 5372.82,1323.79 cw(c5364.19,1315.17) 5376.39,1315.17 cw(c5364.19,1315.17) 5372.82,1306.54 ; 5359.34,1246.12 5338.81,1225.58 ccw(c5341.92,1222.46) 5338.8,1219.35 ccw(c5341.92,1222.46) 5345.03,1219.35 5402.52,1276.84 cw(c5411.14,1268.22) 5419.77,1276.84 cw(c5411.14,1268.22) 5423.34,1268.22 cw(c5411.14,1268.22) 5419.77,1259.59 ; 5359.35,1246.13 5396.29,1283.06 ccw(c5387.67,1291.69) 5399.87,1291.69 ccw(c5387.67,1291.69) 5396.29,1300.32 ccw(c5387.67,1291.69) 5379.04,1300.32 5321.55,1242.83 cw(c5318.44,1245.94) 5315.33,1242.83 cw(c5318.44,1245.94) 5315.33,1249.05 5335.87,1269.59 5372.81,1306.54 ; 5406.29,1199.17 5385.75,1178.63 ccw(c5388.87,1175.51) 5385.75,1172.4 ccw(c5388.87,1175.51) 5391.98,1172.4 5449.47,1229.89 cw(c5458.09,1221.27) 5466.72,1229.89 cw(c5458.09,1221.27) 5470.29,1221.27 cw(c5458.09,1221.27) 5466.72,1212.64 ; 5406.3,1199.18 5443.24,1236.11 ccw(c5434.62,1244.74) 5446.82,1244.74 ccw(c5434.62,1244.74) 5443.24,1253.37 ccw(c5434.62,1244.74) 5425.99,1253.37 5368.51,1195.88 cw(c5365.39,1198.99) 5362.28,1195.88 cw(c5365.39,1198.99) 5362.28,1202.1 5382.82,1222.64 5419.76,1259.59 ; 5453.24,1152.22 5432.7,1131.68 ccw(c5435.82,1128.56) 5432.7,1125.45 ccw(c5435.82,1128.56) 5438.93,1125.45 5453.6,1140.13 cw(c5462.23,1131.5) 5470.86,1140.13 5712.99,897.99 6084.02,897.99 6146.45,835.56 6380.07,835.56 6407.5,862.99 7109.02,862.99 7240.79,731.22 7240.79,554.13 P10.F10@7294.92,500 ; 5453.25,1152.23 5490.19,1189.16 ccw(c5481.57,1197.79) 5493.77,1197.79 ccw(c5481.57,1197.79) 5490.19,1206.42 ccw(c5481.57,1197.79) 5472.94,1206.42 5415.45,1148.93 cw(c5412.34,1152.04) 5409.23,1148.93 cw(c5412.34,1152.04) 5409.23,1155.15 5429.77,1175.69 5466.71,1212.64